# KiCad board AppleII.kicad_pcb (continued)
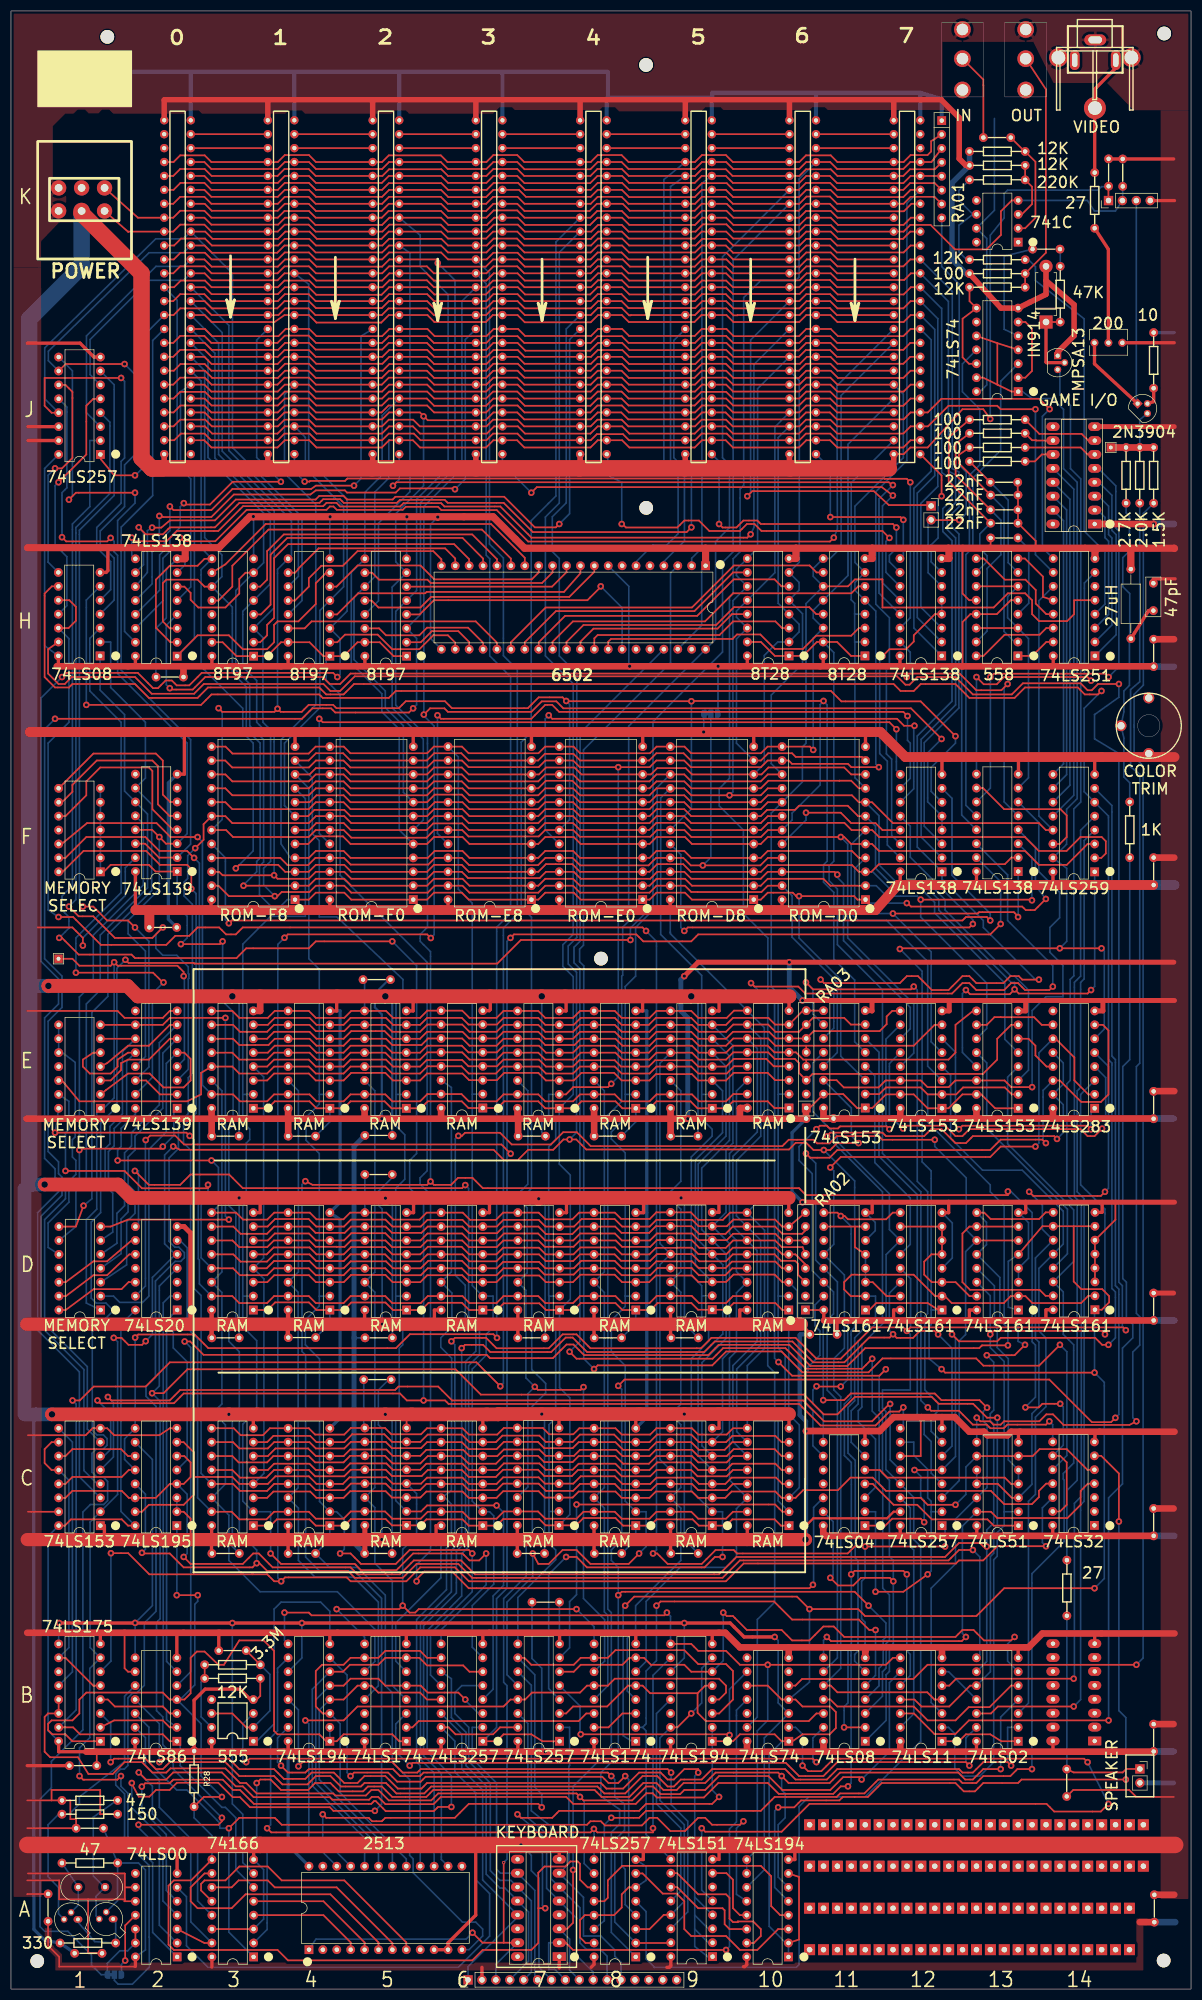
[diagram p0: board, top side]
## Routing (per net, layer and track width the routed paths; a pad name or vN(x,y) marks a point on that pad's centre or on a via; arc(x,y) is an arc through that point) (continued)
+12V: length 1593.4
  Top w0.3: 114.86,104.85 114.73,104.98 ; J18.1 200.46,326.55 200.46,329.08 ; 103.96,277.75 103.86,277.65 ; 45.52,144.32 45.64,144.45 ; 101.4,181.13 101.27,181.25 ; 73.2,104.93 72.26,103.99 C5.8 ; 84.91,277.7 84.96,277.65 ; v1(178.87,286.66) 177.6,288.44 173.79,288.44 167.44,281.46 164.26,281.46 163.04,280.24 SLOT7.50 ; 66.07,277.75 65.96,277.65 ; 123.16,277.75 123.06,277.65 ; 27.99,277.93 27.71,277.65 ; 59.49,181.13 59.61,181.25 ; 142.19,277.77 142.32,277.65 ; 46.91,277.7 46.86,277.65
  Top w0.6: 73.46,181.25 73.46,178.59 E5.8 ; D6.8 87.4,141.76 87.4,144.45 ; 59.49,181.13 59.49,178.59 E4.8 ; 101.47,144.45 101.47,141.76 D7.8 ; 114.86,104.85 114.12,104.11 C8.8 ; C10.8 142.11,104.98 ; 101.4,181.13 101.4,178.59 E7.8 ; 101.02,104.98 100.1,104.06 C7.8 ; 86.92,104.93 86.18,104.19 C6.8 ; D8.8 115.54,141.76 115.54,144.4 115.49,144.45 ; D9.8 129.31,141.81 129.31,144.45 ; 129.34,104.98 129.34,102.39 C9.8 ; D3.8 45.52,141.76 45.52,144.32 ; 45.01,104.93 44.27,104.19 C3.8 ; 73.53,144.45 73.53,141.76 D5.8 ; E8.8 115.37,178.59 115.37,181.25 ; 142.11,181.2 E10.8 ; E6.8 87.35,178.64 87.55,178.84 87.55,181.25 ; D10.8 142.06,144.45 ; E9.8 129.34,178.59 129.34,181.25
  Top w1: SLOT7.50 161.24,278.54 ; SLOT6.50 142.19,277.77 ; SLOT4.50 103.96,277.75 ; SLOT2.50 66.07,277.75 ; SLOT0.50 27.99,277.93 ; SLOT1.50 46.91,277.7 ; SLOT5.50 123.16,277.75 ; SLOT3.50 84.91,277.7
  Top w1.2: E3.8 45.52,178.59 45.52,181.25
  Top w2.5: 142.06,144.45 v1(122.4,144.45) 96.55,144.45 v1(96.39,144.3) 96.24,144.45 68.45,144.45 v1(68.4,144.4) 68.35,144.45 v1(41.68,144.45) 22.02,144.45 19.58,146.89 v4(6.15,146.89) ; 142.11,104.98 v1(122.99,104.98) v1(96.95,104.98) 89.08,104.98 89.03,104.93 v1(68.38,104.93) v1(39.8,104.93) v4(7.49,104.93)
  Top w2.54: 142.11,181.2 142.16,181.25 v4(124.26,181.25) v4(96.95,181.25) v4(68.38,181.25) v4(40.44,181.25) 23.16,181.25 21.26,183.16 v4(6.84,183.16)
  Top w3: 25.73,277.65 23.85,279.53 23.85,313.26 12.9,324.21 CP0.4 ; 25.73,277.65 160.35,277.65 ; 25.73,277.65 27.71,277.65
  Bottom w0.3: Cap28.2 69.67,143.13 v1(68.4,144.4) ; Cap24.2 125.49,180.02 v4(124.26,181.25) ; v1(39.8,104.93) 40.44,104.29 40.44,80.8 Cap34.2 ; v1(122.99,104.98) 122.99,82.07 Cap40.2 ; Cap25.2 v1(41.68,144.45) ; v1(96.39,144.3) 97.56,143.13 Cap29.2 ; 200.46,329.08 199.19,329.08 198.55,328.45 182.04,328.45 181.41,327.81 181.41,323.37 178.87,320.19 v1(178.87,286.66) ; Cap31.2 123.01,121.44 123.01,143.84 v1(122.4,144.45) ; v4(40.44,181.25) 41.67,180.02 Cap20.2 ; Cap22.2 96.95,156.41 v4(96.95,181.25) ; Cap37.2 69.61,103.7 v1(68.38,104.93) ; Cap38.2 97.46,104.47 v1(96.95,104.98)
  Bottom w0.4: Cap3.2 69.65,179.98 v4(68.38,181.25)
  Bottom w0.6: C8.8 116.13,104.39 116.13,141.76 ; E8.8 116.13,178.59 116.13,141.76 ; E4.8 60.12,178.59 60.12,143.64 D4.8 60.12,140.49 60.12,104.27 C4.8 ; 116.13,141.76 D8.8 ; 4.55,104.93 4.19,104.57 4.19,10.9 6.22,8.86 R1.1 11.7,6.53
  Bottom w2.5: v4(6.15,146.89) 3.33,146.89 2.46,146.02 2.46,105.05 2.59,104.93 v4(7.49,104.93) 7.44,104.93
  Bottom w2.54: 3.33,183.16 6.78,183.16 6.84,183.1 v4(6.84,183.16)
  Bottom w3: 3.33,146.89 3.33,304.93 12.9,314.5 CP0.4
-5V: length 898.6
  Top w0.3: 17.09,324.69 CP0.6 21.41,320.83 21.46,320.88 SLOT0.34 29.64,320.88 30.91,322.15 35.33,322.15 36.6,320.88 SLOT1.34 48.74,320.88 50.01,322.15 54.38,322.15 55.65,320.88 SLOT2.34 67.84,320.88 69.11,322.15 78.51,322.15 79.78,320.88 SLOT3.34 86.89,320.88 88.16,322.15 92.58,322.15 93.85,320.88 SLOT4.34 105.99,320.88 107.21,322.1 111.58,322.1 112.8,320.88 SLOT5.34 125.04,320.88 126.36,322.2 130.68,322.2 132,320.88 SLOT6.34 143.94,320.88 145.11,322.05 149.78,322.05 150.95,320.88 SLOT7.34 163.04,320.88 164.26,322.1 167.97,322.1 172.44,317.63 178.18,317.63 180.82,320.27 180.82,324.59 182.8,326.57 K13.4 ; C10.1 140.64,84.61 139.49,85.76 131.76,85.76 130.61,84.61 C9.1 125.65,84.61 124.5,85.76 117.91,85.76 116.76,84.61 C8.1 111.81,84.61 110.42,86 104.56,86 103.23,84.66 C7.1 97.66,84.66 96.51,85.81 89.9,85.81 88.7,84.61 C6.1 83.62,84.61 82.47,85.76 75.88,85.76 74.78,84.66 C5.1 69.6,84.66 68.45,85.81 62.08,85.81 60.88,84.61 C4.1 55.68,84.61 54.53,85.76 48.57,85.76 47.42,84.61 C3.1 ; E3.1 46.91,160.81 48.18,162.08 54.53,162.08 55.8,160.81 E4.1 60.76,160.81 62.03,162.08 68.25,162.08 69.52,160.81 E5.1 74.85,160.81 76.12,162.08 82.35,162.08 83.57,160.86 E6.1 88.87,160.86 90.09,162.08 96.32,162.08 97.59,160.81 E7.1 102.92,160.81 104.19,162.08 110.41,162.08 111.68,160.81 E8.1 116.64,160.81 117.91,162.08 124.13,162.08 125.4,160.81 E9.1 130.61,160.81 131.88,162.08 138.23,162.08 139.45,160.86 E10.1 ; D3.1 46.86,123.98 48.25,125.37 54.41,125.37 55.8,123.98 D4.1 60.78,123.98 62.15,125.35 68.4,125.35 69.77,123.98 D5.1 74.96,123.98 76.28,125.3 82.37,125.3 83.69,123.98 D6.1 88.77,123.98 89.99,125.2 96.49,125.2 97.71,123.98 D7.1 102.79,123.98 104.06,125.25 110.41,125.25 111.68,123.98 D8.1 116.81,123.98 118.08,125.25 124.28,125.25 125.5,124.03 D9.1 130.78,124.03 132,125.25 139.62,125.25 140.89,123.98 D10.1
  Bottom w0.3: E4.1 58.24,158.8 58.22,158.78 58.22,158.31 Cap21.2 ; D4.1 58.24,122.2 58.29,122.15 58.29,121.59 Cap26.2 ; E8.1 114.12,158.33 Cap23.2 ; D8.1 114.12,121.49 Cap30.2 ; C8.1 114.12,82.09 Cap39.2 ; C7.1 102.08,86.64 102.08,107.92 100.2,109.8 D7.1 102.16,125.93 102.16,148.62 100.15,150.62 E7.1 102.69,163.35 102.69,184.84 100.81,186.72 100.81,190.68 102.69,192.56 102.69,238.33 97.61,243.41 97.61,268.76 100.15,271.3 100.15,317.07 SLOT4.34 ; Cap13.2 203.06,326.6 201.73,324.64 197.89,324.64 196.62,326.57 K13.4 ; A5.12 83.67,7.19 86.16,9.68 86.16,10.95 84.89,12.22 82.47,12.22 73.46,21.23 73.46,23.77 72.82,24.41 72.82,38.25 69.65,41.43 69.65,54.13 68.38,55.4 68.38,71.91 63.3,76.99 58.18,76.99 Cap36.2 58.24,82.13 C4.1
-12V: length 527.8
  Top w0.3: v1(84.3,10.29) 86.13,8.46 89.99,8.46 ; SLOT7.33 150.95,323.42 149.73,324.64 145.21,324.64 143.99,323.42 SLOT6.33 131.95,323.42 130.68,324.69 126.21,324.69 124.94,323.42 SLOT5.33 112.8,323.42 111.58,324.64 107.06,324.64 105.84,323.42 SLOT4.33 93.8,323.42 92.48,324.74 88.16,324.74 86.84,323.42 SLOT3.33 79.78,323.42 78.56,324.64 68.96,324.64 67.74,323.42 SLOT2.33 55.65,323.42 54.43,324.64 49.96,324.64 48.74,323.42 SLOT1.33 36.6,323.42 35.33,324.69 30.91,324.69 29.64,323.42 SLOT0.33 23.19,323.42 CP0.5 ; 89.99,8.46 A7.15 ; 89.99,8.46 v3(89.99,23.09)
  Bottom w0.3: A7.15 88.57,4.5 J3.3 ; A5.1 55.7,9.12 83.13,9.12 v1(84.3,10.29) ; SLOT4.33 99.54,319 99.54,272.62 95.02,268.1 95.02,229.49 93.19,227.66 93.19,197.59 95.07,195.71 95.07,146.18 94.36,145.47 94.36,143.74 95.12,142.98 95.12,113.11 97.66,110.57 97.66,108.84 95.22,106.4 95.22,82.27 94.11,81.15 94.11,75.41 89.99,71.3 89.99,56.01 90.6,55.4 90.6,23.7 v3(89.99,23.09)
/Clock Generation/V0: length 38.5
  Bottom w0.3: E11.4 157.78,166.73 157.78,150.9 164.26,144.42 164.26,135.97 D12.12
/Clock Generation/V1: length 94
  Bottom w0.3: C11.3 157.91,91.62 157.91,100.41 154.76,103.56 154.76,105.59 155.42,106.25 155.42,117.68 159.84,122.1 159.84,134.09 D12.11 160.45,138.66 160.45,145.19 150.93,154.71 150.93,155.73 146.48,160.17 146.48,169.09 E11.12
/Clock Generation/V2: length 181.7
  Top w0.3: v1(160.45,157) 159.94,157.51 151.43,157.51 151.05,157.12 149.53,157.12 149.02,157.63 147.75,157.63 v1(147.12,157) ; v1(148.36,107.52) 152.17,107.52 153.39,108.74 168.73,108.74 169.95,107.52 176.91,107.52 v1(178.28,106.15)
  Bottom w0.3: v1(147.12,157) 143.94,153.82 143.94,151.28 146.35,148.87 146.35,131.17 D11.14 150.24,127.28 150.24,123.27 148.36,121.39 v1(148.36,107.52) ; E12.10 159.82,173.43 159.82,157.63 v1(160.45,157) ; B12.3 168.07,52.3 168.07,73.18 172.52,77.62 172.52,85.8 C13.12 178.28,91.57 178.28,103 177.57,103.71 177.57,105.44 v1(178.28,106.15)
/Clock Generation/V3: length 184.7
  Top w0.3: 196.39,161.98 195.48,161.98 191.57,165.89 E14.14 ; v1(145.21,152.55) 145.97,151.79 149.53,151.79 150.93,153.19 178.87,153.19 180.77,155.09 188.39,155.09 v1(189.03,154.46) ; 196.4,161.98 199.09,161.98 200.46,163.35 200.46,175.03 199.44,176.05 E14.7
  Bottom w0.3: v1(145.21,152.55) 146.99,150.77 146.99,133.07 D11.13 150.95,129.11 150.95,122.71 149.07,120.83 149.07,109.35 150.95,107.47 150.95,60.48 B11.9 ; v1(189.03,154.46) 188.52,154.97 188.52,164.08 E14.14
/Clock Generation/V4: length 196.9
  Top w0.3: B12.4 168.68,52.86 167.36,54.18 150.95,54.18 149.73,55.4 B11.10 ; E14.11 190.8,173.51 194.23,170.08 194.23,165.89 196.77,163.35 E14.2 ; v1(149.66,150.01) 151.56,151.92 178.87,151.92 180.77,153.82 v1(187.12,153.82)
  Bottom w0.3: v1(187.12,153.82) 187.76,154.46 187.76,170.94 E14.11 ; B11.10 151.56,58.55 151.56,108.13 150.29,109.4 150.29,115.09 152.22,117.02 152.22,130.38 D11.12 150.29,135.97 150.29,149.38 v1(149.66,150.01)
GND: length 3184.9
  Top w0.3: 212.47,17.22 212.52,17.17 ; 100.15,26.21 100.25,26.31 ; C2.2 31.55,87.15 32.82,85.88 32.82,82.07 ; B2.9 21.39,57.94 20.75,58.57 20.75,65.05 ; 134.49,82.14 134.42,82.07 ; E13.1 179.76,160.81 177.22,163.35 E13.15 173.79,163.35 171.25,160.81 E12.1 167.44,160.81 164.9,163.35 E12.15 159.82,163.35 157.33,160.86 E11.1 154.56,160.86 152.02,163.4 E11.15 145.87,160.86 RA03.1 ; R3.2 16.33,31.93 16.31,31.9 16.31,36.35 7.42,36.35 7.42,34.44 ; 14.1,16.38 20.8,16.38 20.75,16.33 20.75,16.03 ; 14.1,16.38 8.84,16.38 8.81,16.41 8.81,19.84 2.97,19.84 ; 14.1,16.38 14.1,6.53 16.7,6.53 ; 50.62,79.54 Cap36.1 ; 20.8,18.57 A2.9 ; 20.8,18.57 20.8,16.08 20.75,16.03 ; 20.8,18.57 20.8,21.06 20.75,21.11 3.1,21.11 ; 185.22,224.82 185.34,224.94 ; 157.28,229.39 157.15,229.51 ; 20.75,16.03 A2.10 ; D14.3 D14.5 D14.6 201.73,140.46 201.73,143.66 ; 7.42,34.44 R2.2 10.85,34.44 10.85,31.01 11.86,31.01 11.9,30.97 Cap1.2 2.97,29.36 ; 7.42,34.44 2.97,34.44 ; 92.58,118.92 Cap29.1 ; C1.15 3.1,87.15 ; Cap9.2 178.93,263.21 178.79,263.07 ; 36.63,79.61 Cap34.1 ; 50.62,121.44 50.57,121.39 ; 2.97,178.59 19.48,178.59 20.75,177.32 27.74,177.32 29.01,178.59 E2.8 ; 6.78,17.34 3.02,17.34 2.97,17.3 ; 87.3,64.92 87.43,65.05 ; 166.29,104.42 166.17,104.29 166.17,97.31 C12.11 ; 77.34,121.49 77.24,121.39 ; 50.57,119.03 Cap26.1 ; C2.8 29.01,102.39 27.1,101.12 18.85,101.12 17.58,102.39 C1.8 14.91,102.39 13.64,101.12 3.1,101.12 ; 4.88,193.83 11.23,193.83 13.13,191.92 v1(13.13,190.53) ; 36.65,82.09 36.63,82.07 ; 129.29,23.7 129.34,23.65 ; 120.47,79.58 Cap40.1 ; 187.17,263.07 187.17,264.4 Cap6.2 Cap8.2 183.88,272.82 Cap7.2 ; 37.96,64.99 38.02,65.05 ; 106.5,79.58 Cap39.1 ; 120.47,118.98 Cap31.1 ; 59.49,64.92 59.61,65.05 ; 44.32,268.81 v1(44.27,268.86) ; 199.26,141.81 199.31,141.86 ; 173.81,263.07 173.81,254.79 175.03,253.57 H13.12 ; 212.48,163.94 212.52,163.98 ; A8.15 104.95,8.41 103.94,9.42 103.94,12.6 104.83,13.49 A8.13 110.16,13.49 111.56,14.88 111.56,17.3 112.83,18.57 A8.6 ; 136.96,229.39 136.83,229.51 ; A3.14 A3.3 ; 92.48,79.55 Cap38.1 ; 212.44,246.45 212.52,246.53 ; 106.5,118.93 Cap30.1 ; Cap12.2 194.03,36.35 204.27,36.35 205.54,35.08 212.39,35.08
  Top w0.4: v2(145.13,82.07) 145.13,84.53 146.55,85.95 160.01,85.95 161.21,87.15 C12.15
  Top w0.6: B13.7 183.97,62.38 185.22,62.38 ; 31.67,229.51 31.67,221.82 F2.8 ; 64.59,121.39 64.59,123.8 ; 59.49,64.92 58.24,64.92 B4.8 ; C6.16 77.65,84.61 77.65,82.07 ; ROM-E8.12 95.07,229.51 96.32,229.51 ; A10.8 143.18,23.65 143.18,26.31 ; C1.1 17.07,84.61 17.07,82.07 ; 212.37,334.14 Cap13.1 200.5,334.14 Cap14.1 ; B1.8 16.33,65.05 17.45,65.05 ; D13.8 185.34,141.76 185.34,143.66 ; 129.34,23.65 129.34,26.31 ; A3.8 44.32,25.12 45.52,26.31 ; B8.8 114.12,65.05 115.37,65.05 ; Cap43.1 2.97,40.79 ; 170.05,104.42 C12.8 ; 185.22,224.82 184.15,224.82 184.02,224.94 184.02,221.87 F13.8 ; J18.4 212.52,326.54 ; ROM-D8.12 135.66,229.39 136.96,229.39 ; 87.3,64.92 86.18,64.92 B6.8 ; ROM-D0.12 156.08,229.39 157.28,229.39 ; 84.89,26.19 84.89,13.49 79.83,8.43 A5.11 A5.10 ; 129.34,65.05 128.14,65.05 128.09,65 B9.8 ; F12.8 170.05,224.89 170.1,224.94 171.25,224.94 ; D8.16 106.5,118.93 ; A2.7 30.35,25.12 31.55,26.31 ; 77.34,121.49 77.34,123.98 D6.16 ; 31.55,65.05 30.3,65.05 B2.7 ; 184.33,101.75 184.02,101.45 C13.7 ; C14.7 197.99,100 197.99,101.75 198.81,101.75 ; 199.19,224.94 197.94,224.94 F14.8 ; ROM-E0.12 115.39,229.51 116.64,229.51 ; 36.63,82.07 36.63,79.61 ; D11.8 157.3,141.76 157.3,143.66 ; 133.12,121.39 133.12,123.98 D10.16 ; A8.8 115.49,23.65 115.49,26.31 ; J1.8 15.16,297.97 12.62,300.51 2.97,300.51 ; B5.8 72.21,65.05 73.46,65.05 ; ROM-F0.12 73.48,229.51 74.73,229.51 ; D12.8 171.27,141.76 171.27,143.66 ; J1.15 3.1,282.73 ; B7.8 100.2,65 100.25,65.05 101.27,65.05 ; C8.16 106.5,79.58 ; Cap15.1 37.96,64.99 ; C4.16 50.62,79.54 ; C11.7 155.98,101.88 156.64,101.88 ; ROM-F8.12 51.89,229.51 53.14,229.51 ; D14.8 199.26,141.81 ; Cap2.2 208.66,257.48 212.62,257.48 ; 17.7,263.17 17.7,258.98 17.37,258.65 H1.7 ; C7.16 92.48,79.55 ; 199.31,141.86 199.31,143.66 ; C10.16 134.49,82.14 ; R11.3 212.47,300.58 ; J1.14 3.1,285.27 ; B14.8 197.94,64.92 199.21,64.92 ; A9.8 129.29,23.7 ; D7.16 92.58,118.92 ; A7.8 100.15,26.21 ; C3.16 36.65,82.09 ; C9.16 120.47,79.58 ; D9.16 120.47,118.98
  Top w0.7: 144.37,121.39 Cap33.1
  Top w0.8: D4.16 50.62,121.44 ; 50.57,121.39 50.57,119.03 ; D3.16 36.65,118.93 Cap25.1
  Top w0.9: E12.8 171.37,178.59 171.37,180.49 ; 171.37,180.49 185.34,180.49 ; 171.37,180.49 157.28,180.49 ; J14.8 212.47,285.27 ; Cap32.1 212.35,127.07 ; 157.28,180.49 157.28,178.59 157.23,178.64 E11.8 ; 157.28,180.49 v1(144.58,180.49) ; 32.84,121.39 32.84,138 31.62,139.22 D2.7 ; 199.44,180.49 199.44,178.59 E14.8 ; 199.44,180.49 212.52,180.49 ; 199.44,180.49 185.34,180.49 ; C5.16 64.64,79.6 64.57,79.53 ; 185.34,180.49 185.34,178.59 E13.8 ; v1(144.58,143.66) 212.52,143.66 ; v1(122.99,184.94) 125.53,187.48 v1(142.16,187.48) 212.39,187.48
  Top w1: SLOT1.26 46.91,344.81 46.76,344.96 ; SLOT0.26 27.99,344.88 28.07,344.96 46.76,344.96 ; 46.76,344.96 65.86,344.96 ; SLOT3.26 84.91,344.91 84.86,344.96 ; 142.16,344.96 142.19,344.93 SLOT6.26 ; 142.16,344.96 123.01,344.96 ; 142.16,344.96 161.21,344.96 ; 84.86,344.96 65.86,344.96 ; 84.86,344.96 103.96,344.96 ; 65.86,344.96 66.07,344.75 SLOT2.26 ; 103.96,344.96 SLOT4.26 ; 103.96,344.96 123.01,344.96 ; 189.05,311.94 194.18,307.52 194.18,301.88 191.19,298.88 Q4.1 ; 189.05,311.94 189.05,309.45 189,309.4 186.11,307.98 J13.7 180.82,306.91 R18.1 ; 189.05,311.94 CR1.2 ; 123.01,344.96 123.16,344.81 SLOT5.26 ; 161.21,344.96 161.21,344.81 161.24,344.78 SLOT7.26 ; 161.21,344.96 169.9,344.96 173.2,341.66 173.2,334.19 174.42,332.97 R16.1
  Top w1.2: 64.57,158.9 64.59,158.93 E5.16 ; 64.57,158.9 v1(67.74,158.9) 78.54,158.9 ; 64.57,158.9 50.6,158.9 ; 170.05,62.38 185.85,62.38 188.39,64.92 212.52,64.92 ; 170.05,62.38 156.08,62.38 ; 170.05,62.38 B12.7 ; E7.16 92.53,158.93 92.51,158.9 ; 156.08,62.38 142.06,62.38 ; 156.08,62.38 156.08,61.75 156.03,61.7 B11.7 ; 120.45,158.9 120.47,158.93 ; 120.45,158.9 v1(123.62,158.9) 133.15,158.9 ; 120.45,158.9 106.48,158.9 ; 120.47,158.93 E9.16 ; 120.47,158.93 120.49,158.91 Cap24.1 ; 106.5,158.93 106.52,158.91 Cap23.1 ; 106.5,158.93 106.48,158.9 ; 106.5,158.93 E8.16 ; 36.65,158.93 E3.16 ; 36.65,158.93 36.63,158.9 ; 36.65,158.93 36.67,158.91 Cap20.1 ; 92.51,158.9 92.63,158.78 Cap22.1 ; 92.51,158.9 78.54,158.9 ; 92.51,158.9 106.48,158.9 ; Cap16.1 212.47,206.57 ; 36.63,158.9 50.6,158.9 ; 36.63,158.9 2.84,158.9 ; v1(145.21,101.88) 158.67,101.88 161.21,104.42 172.39,104.42 175.06,101.75 177.72,101.75 178.36,101.12 182.04,101.12 182.68,101.75 212.52,101.75 ; Cap21.1 50.64,158.86 50.6,158.9 ; Cap42.1 212.35,48.37 ; 78.54,158.9 78.56,158.93 E6.16 ; 142.06,62.38 133.15,62.38 130.48,65.05 2.97,65.05 ; 142.06,62.38 B10.7 ; 50.6,158.9 50.62,158.93 E4.16 ; E10.16 133.2,160.86 133.15,160.81 133.15,158.9 ; RA03.1 145.21,160.81 145.21,158.9 133.15,158.9 ; Cap47.1 212.47,17.22 ; Cap41.1 212.35,87.74 ; Cap19.1 212.44,246.45 ; 208.71,163.94 212.48,163.94 ; Cap33.1 146.1,119.53
  Top w1.3: 126.87,263.07 93.8,263.07 88.06,268.81 78,268.81 v1(77.95,268.76) 77.9,268.81 v1(72.31,268.81) v1(58.29,268.81) 44.32,268.81 ; 126.87,263.07 143.38,263.07 ; 126.87,263.07 H7.1 ; 212.52,263.02 212.47,263.07 204.19,263.07 ; 143.38,263.07 143.38,261.19 H10.8 ; 143.38,263.07 157.3,263.07 ; H11.8 157.3,261.19 157.3,263.07 ; 157.3,263.07 171.22,263.07 ; 204.19,263.07 204.55,262.71 L1.2 ; 204.19,263.07 198.5,263.07 ; 31.83,263.17 31.83,261.19 31.78,261.14 H2.8 ; 31.83,263.17 3.02,263.17 ; 31.83,263.17 37.97,263.17 43.61,268.81 44.22,268.81 v1(44.27,268.86) ; 171.22,263.07 171.32,262.97 171.32,261.19 H12.8 ; 171.22,263.07 198.5,263.07 ; 198.5,263.07 197.99,262.56 H14.8
  Top w1.8: 212.52,224.94 163.37,224.94 158.8,229.51 v1(126.52,229.51) 3.48,229.51 31.67,229.51
  Top w2.4: 144.37,121.39 v1(67.84,121.39) 2.87,121.39 ; v2(145.13,82.07) v1(67.74,82.07) 2.97,82.07
  Top w3: 2.97,26.31 v1(93.14,26.31) 212.65,26.31
  Bottom w0.3: D11.6 157.86,138.46 157.86,139.98 D11.8 ; D12.8 171.93,139.88 171.93,133.48 D12.4 ; Cap35.1 69.01,111.28 67.11,109.37 67.11,103.02 67.74,102.39 v1(67.74,82.07) ; B7.8 100.17,63.05 Cap45.1 ; v1(13.13,190.53) 13.13,191.92 20.88,199.67 20.88,204.72 F2.15 ; H2.8 29.01,259.79 28.93,259.79 28.37,259.23 28.37,250.34 26.47,248.44 26.47,239.59 Cap18.1 ; H3.8 44.32,268.81 v1(44.27,268.86) ; C2.3 C2.2 ; D13.8 185.85,139.93 185.85,133.43 D13.4 D13.3 ; v1(67.84,121.39) 67.79,121.44 67.79,142.42 67.13,143.08 67.13,145.67 69.64,148.18 Cap27.1 ; B3.1 44.88,45.24 48.06,48.41 48.06,69.37 49.33,70.64 56.57,70.64 58.24,68.96 B4.8 ; J3.7 96.44,3.96 96.44,20.22 95.05,21.62 95.05,24.41 v1(93.14,26.31) ; v1(77.95,268.76) 76.63,267.44 76.63,246.61 H7.21 ; A3.3 46.15,12.78 46.15,21.82 A3.8 ; H7.1 126.16,259.16 126.16,249 H7.38 ; A8.8 116,22.38 116,19.84 A8.6 ; Cap28.1 62.79,118.9 ; H5.8 72.26,268.76 v1(72.31,268.81) ; v1(58.29,268.81) 58.24,268.76 H4.8 ; JP2.1 126.54,229.54 v1(126.52,229.51)
  Bottom w0.4: v1(67.74,158.9) 67.74,177.95 66.47,179.22 66.47,181.76 69.01,184.3 Cap4.1
  Bottom w0.6: RA03.1 145.26,158.95 142.67,156.36 142.67,145.57 v1(144.58,143.66) ; Cap17.1 28.75,195.35 28.75,220.22 F2.8
  Bottom w0.8: 146.1,119.53 Cap33.1 144.2,119.53 144.07,119.41 144.07,104.8 145.21,103.66 v1(145.21,101.88) 145.21,82.15 v2(145.13,82.07)
  Bottom w0.9: v1(122.99,184.94) 122.35,184.3 122.35,178.59 123.62,177.32 v1(123.62,158.9) ; 64.57,79.53 62.66,81.43 62.66,118.77 62.79,118.9 62.66,119.02 62.66,153.87 Cap3.1 ; v1(144.58,180.49) 142.16,182.91 v1(142.16,187.48)
  Bottom w1: R18.1 174.47,313.21 171.88,315.8 171.88,329.77 R16.1 R17.1
7M: length 550.2
  Top w0.3: B1.15 11.35,47.78 12.62,46.51 27.74,46.51 29.01,45.24 B2.1 ; SLOT7.36 151,315.8 149.73,317.07 145.26,317.07 143.99,315.8 SLOT6.36 131.9,315.8 130.68,317.02 126.16,317.02 124.94,315.8 SLOT5.36 112.8,315.8 111.53,317.07 107.16,317.07 105.89,315.8 SLOT4.36 93.75,315.8 92.53,317.02 88.11,317.02 86.89,315.8 SLOT3.36 79.83,315.8 78.56,317.07 69.06,317.07 67.79,315.8 SLOT2.36 55.7,315.8 54.43,317.07 50.01,317.07 48.74,315.8 SLOT1.36 36.65,315.8 35.43,317.02 30.96,317.02 29.74,315.8 SLOT0.36 ; v1(89.38,110.06) 85.01,114.43 29.03,114.43 24.61,110.01 15.11,110.01 12.57,107.47 v1(11.25,107.47)
  Bottom w0.3: SLOT3.36 87.4,313.31 87.4,263.83 89.94,261.29 89.94,243.46 92.48,240.92 92.48,196.27 89.94,193.73 89.94,110.62 v1(89.38,110.06) ; A3.6 41.07,21.82 41.07,31.27 39.17,33.17 38.53,33.17 30.91,40.79 30.91,44.6 30.3,45.21 B2.1 ; B1.15 11.91,50.98 11.91,106.81 v1(11.25,107.47)
14M: length 294.8
  Top w0.3: 22.66,66.83 v1(22.68,66.85)
  Top w0.6: v1(139.5,64.29) 133.91,64.29 131.37,66.83 v1(122.99,66.83) v1(53.14,66.83) v1(40.44,66.83) v1(8.81,66.83)
  Bottom w0.3: C2.10 25.83,96.7 25.83,70 v1(22.68,66.85) B2.8 ; A10.11 137.59,21.77 137.59,45.85 B10.3 140.13,52.25 140.13,63.65 v1(139.5,64.29) ; v1(40.44,66.83) 40.44,33.81 42.34,31.9 42.34,23.09 A3.7 ; v1(53.14,66.83) 53.14,60.45 B4.11 ; B9.11 122.99,60.45 v1(122.99,66.83) ; B1.9 8.71,66.73 v1(8.81,66.83)
/Address Decoder and Onboard IO/CASSETTE_IN: length 72.5
  Bottom w0.3: R29.2 185.85,315.75 187.12,314.48 187.12,311.94 196.01,304.95 196.01,266.22 199.82,262.41 199.82,252.86 H14.4
/Address Decoder and Onboard IO/Cassette_Out: length 92.5
  Bottom w0.3: J13.11 173.79,296.72 173.79,291.62 176.96,288.44 176.96,278.28 175.06,276.38 175.06,263.68 173.79,262.41 173.79,262.28 173.65,262.15 173.65,214.36 F13.13
/Address Decoder and Onboard IO/GamePort_ANN0: length 49.9
  Bottom w0.3: J14.15 192.25,268.1 192.25,223.7 F14.9
/Address Decoder and Onboard IO/GamePort_ANN1: length 55.4
  Bottom w0.3: F14.10 192.81,221.72 192.81,270.08 J14.14
/Address Decoder and Onboard IO/GamePort_ANN2: length 61
  Bottom w0.3: F14.11 193.42,219.79 193.42,272.01 J14.13
/Address Decoder and Onboard IO/GamePort_ANN3: length 66.7
  Bottom w0.3: F14.12 194.13,217.96 194.13,273.84 J14.12
/Address Decoder and Onboard IO/KBD0: length 65
  Bottom w0.3: B6.11 80.44,56.67 80.44,49.56 83.11,46.89 83.11,40.79 86.79,37.11 86.79,20.98 89.33,18.44 90.22,18.44 92.53,16.13 A7.12 94.54,14.07 94.54,5.11 J3.4
/Address Decoder and Onboard IO/KBD1: length 58.2
  Bottom w0.3: B6.14 82.35,46.53 82.35,40.16 86.16,36.35 86.16,19.91 A7.13 92.53,13.14 83.49,4.1 J3.1
/Address Decoder and Onboard IO/KBD2: length 54.8
  Bottom w0.3: B6.2 84.25,47.78 84.25,42.06 88.7,37.62 88.7,21.87 89.41,21.16 A7.10 95.68,18.01 95.68,2.18 J3.6
/Address Decoder and Onboard IO/KBD3: length 65.6
  Bottom w0.3: J3.5 95.05,3.07 95.05,16.1 A7.11 91.31,19.84 89.33,19.84 87.55,21.62 87.55,37.62 83.62,41.55 83.62,47.78 81.08,50.32 81.08,54.13 82.35,55.4 B6.5
/Address Decoder and Onboard IO/KBD4: length 64.7
  Bottom w0.3: J3.11 108.89,5.99 107.63,7.26 105.09,7.26 103.94,8.41 103.94,14.83 A7.6 98.6,20.17 98.6,29.72 98.6,29.72 95.05,32.54 95.05,55.47 B7.11
/Address Decoder and Onboard IO/KBD5: length 54.5
  Bottom w0.3: J3.10 106.35,3.07 103.3,6.12 103.3,12.93 A7.5 97.84,18.39 97.84,28.35 94.41,31.27 94.41,48.49 B7.14
/Address Decoder and Onboard IO/KBD6: length 55.2
  Bottom w0.3: B7.2 102.03,47.78 102.03,40.79 101.9,40.67 101.9,22.91 A7.7 104.57,16.74 104.57,9.68 107.75,9.68 110.29,7.14 110.29,5.99 111.43,4.85 J3.12
/Address Decoder and Onboard IO/PDL0: length 13.2
  Top w0.3: R20.1 195.4,281.46 196.67,280.19 J14.6
/Address Decoder and Onboard IO/PDL1: length 5.6
  Top w0.3: R21.1 186.51,282.78 187.22,282.78 187.27,282.73 J14.10
/Address Decoder and Onboard IO/PDL2: length 14.3
  Top w0.3: J14.7 196.77,282.73 195.55,283.95 187.83,283.95 R22.1
/Address Decoder and Onboard IO/PDL3: length 5.6
  Top w0.3: R23.1 187.02,278.92 188.29,280.19 J14.11
/Address Decoder and Onboard IO/SPKR_Out: length 87.3
  Bottom w0.3: F13.12 174.42,216.13 174.42,261.9 175.69,263.17 175.69,275.87 180.77,280.95 180.77,293.55 J13.3
/Address Decoder and Onboard IO/~{C000-C0FF}: length 205.2
  Top w0.3: 163.63,240.18 62.03,240.18 60.12,238.28 58.22,238.28 56.95,239.55 35.48,239.55 33.2,237.26 29.26,237.26 v1(29.01,237.52) ; 163.63,240.18 173.28,240.18 176.33,237.13 180.9,237.13 v1(182.04,238.28) ; 163.63,240.18 v1(163.63,239.55)
  Bottom w0.3: v1(182.04,238.28) 181.41,237.64 181.41,216.76 F13.5 ; v1(163.63,239.55) 164.26,240.18 164.26,244.07 H12.15 ; H2.4 28.37,249 28.37,238.15 v1(29.01,237.52)
/Address Decoder and Onboard IO/~{GamePort_Strobe}: length 87.1
  Top w0.3: v1(200.48,239.55) 199.87,240.16 179.5,240.16 v1(178.89,239.55)
  Bottom w0.3: v1(200.48,239.55) 202.36,241.43 202.36,266.22 201.8,266.78 201.8,274.45 198.6,277.65 J14.5 ; v1(178.89,239.55) 178.89,219.28 F13.11
/Clock Generation/B1-1Q: length 96.6
  Top w0.3: B1.2 18.85,49.05 27.74,49.05 29.01,47.78 B2.2
  Bottom w0.3: B2.2 28.42,49.15 28.42,50.93 27.81,51.54 27.81,125.3 29.03,126.52 D2.2
/Clock Generation/H0: length 243.2
  Top w0.3: v1(109.65,31.27) 114.73,31.27 116,32.54 136.96,32.54 139.5,35.08 150.8,35.08 151.43,35.71 155.88,35.71 158.42,38.25 173.15,38.25 173.79,37.62 176.33,37.62 177.6,38.89 182.55,38.89 183.82,40.16 v1(186.49,40.16)
  Bottom w0.3: E13.4 182.04,166.5 182.04,154.33 194.11,142.27 194.11,132.84 D14.14 192.2,127.28 192.2,119.53 194.11,117.63 194.11,96.04 192.2,94.13 192.2,93.12 192.36,92.96 192.36,81.72 186.49,75.84 v1(186.49,40.16) ; A8.14 108.38,12.47 108.38,30 v1(109.65,31.27)
/Clock Generation/H1: length 47.3
  Bottom w0.3: D14.13 192.96,134.24 192.96,142.39 178.23,157.12 178.23,169.09 E13.12
/Clock Generation/H2: length 136
  Bottom w0.3: E12.4 171.63,166.85 171.63,155.35 177.47,149.5 184.71,149.5 192.2,142.01 192.2,136.02 D14.12 187.76,131.57 187.76,120.17 189.03,118.9 189.03,106.32 187.12,104.42 187.12,90.32 185.85,89.05 185.85,52.2 B13.3
/Clock Generation/H3: length 113.2
  Top w0.3: v1(185.98,145.57) 186.74,144.81 199.06,144.81 v1(199.82,145.57) ; C13.3 182.8,89.69 180.26,92.23 C13.11
  Bottom w0.3: v1(185.98,145.57) 188.39,143.15 188.39,138.71 D14.11 187.12,133.48 187.12,118.77 187.76,118.14 187.76,106.32 186.49,105.05 186.49,92.15 C13.3 ; E14.5 200.46,168.45 200.46,146.2 v1(199.82,145.57) ; C13.10 C13.11
/Clock Generation/H4: length 181.8
  Top w0.3: v1(199.82,119.53) 199.19,120.17 179.5,120.17 v1(178.87,119.53)
  Bottom w0.3: 181.41,87.15 C13.2 ; 181.41,87.15 181.41,114.58 178.87,117.12 v1(178.87,119.53) 178.87,126.59 D13.14 ; 181.41,87.15 181.41,84.61 180.14,83.34 180.14,79.02 179.5,78.38 179.5,41.43 176.96,38.89 173.79,38.89 172.39,40.28 172.39,46.63 171.25,47.78 B12.2 ; E14.3 195.38,163.32 195.38,146.84 199.82,142.39 v1(199.82,119.53)
/Clock Generation/H5: length 71.6
  Top w0.3: C13.4 182.68,92.23 181.53,93.38 160.06,93.38 158.67,94.77 C11.5
  Bottom w0.3: D13.13 179.63,128.37 179.63,121.18 180.14,120.68 180.14,117.12 182.17,115.09 182.17,96.62 C13.5 C13.4
/Connectors/DMA-OUT-3: length 14.2
  Top w0.3: SLOT3.24 SLOT4.27
/Connectors/INT-OUT-3: length 14.2